# KiCad board EOutside.kicad_pcb (continued)
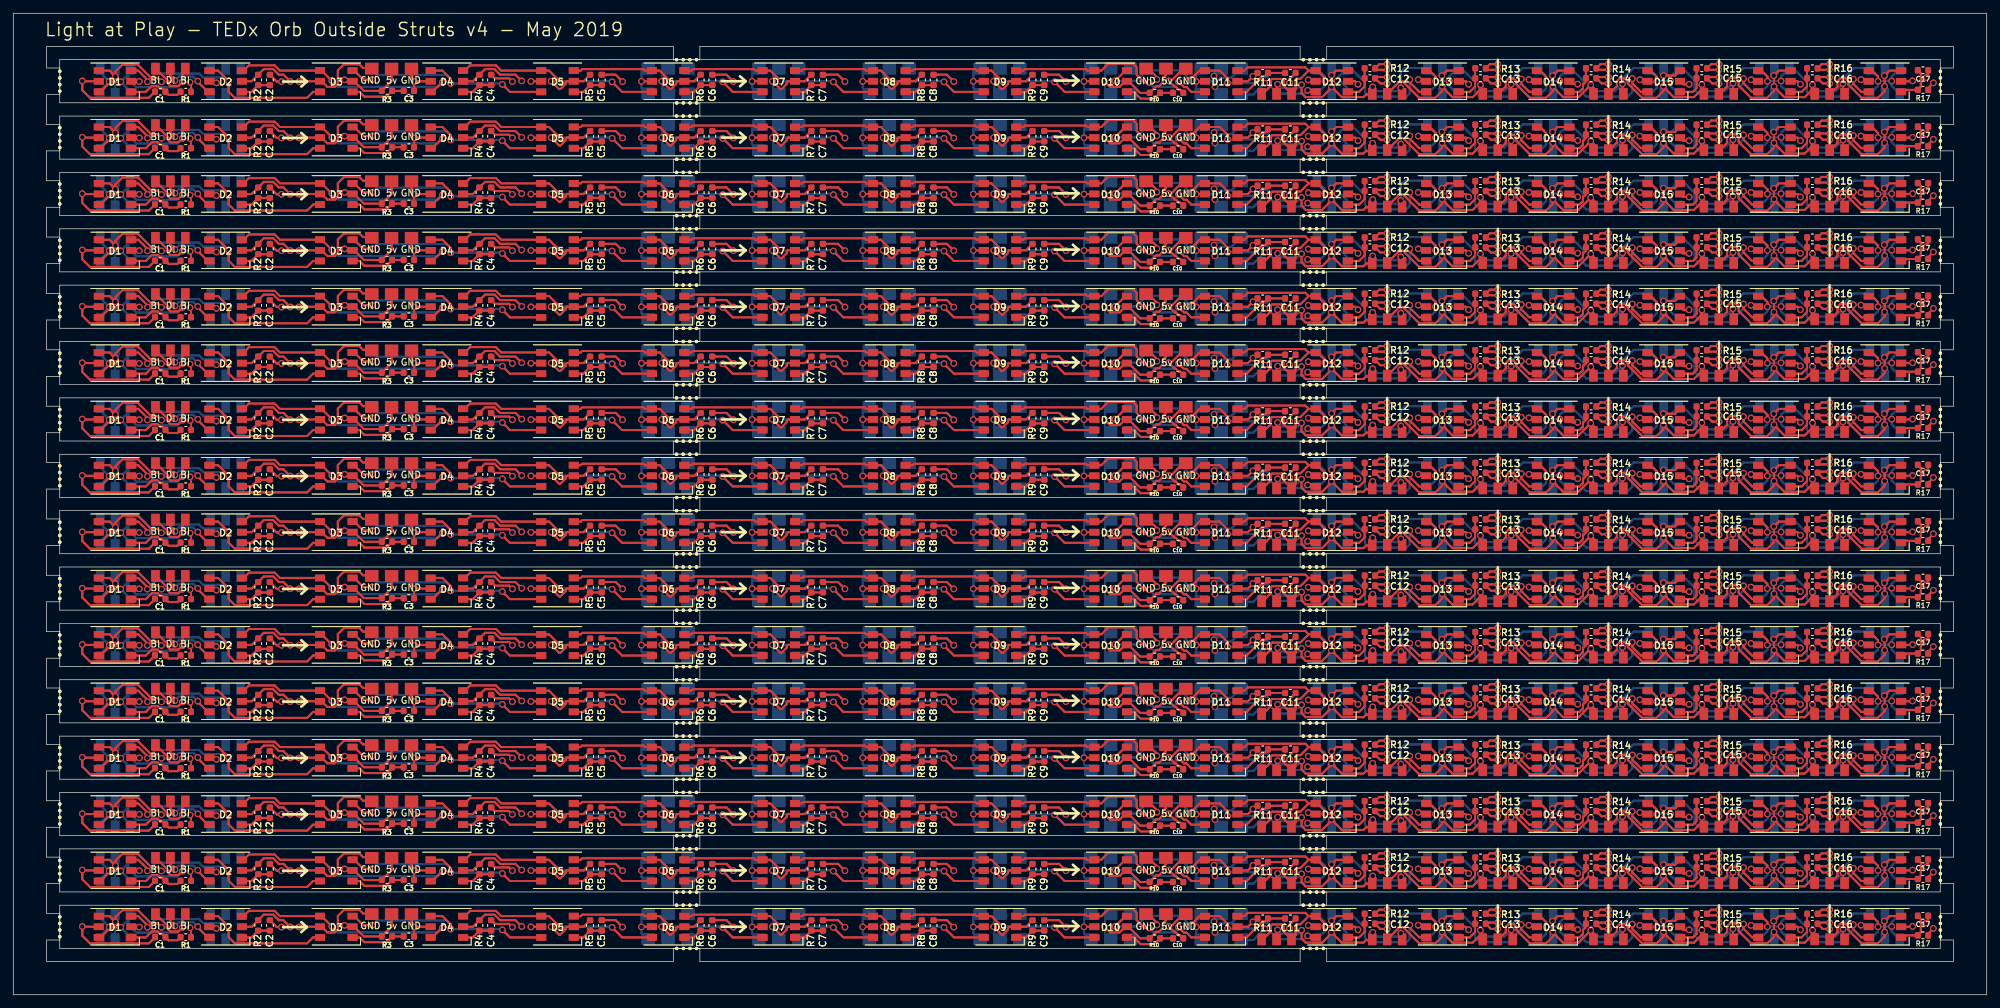
[diagram p0: board, top side]
## Routing (per net, layer and track width the routed paths; a pad name or vN(x,y) marks a point on that pad's centre or on a via; arc(x,y) is an arc through that point) (continued)

## Copper pours and planes (outline as drawn; the poured copper is in the pictures)
+5V on In1.Cu: 290.33,141 7,141 7,134.5 290.33,134.5
+5V on In1.Cu: 290.33,132.5 7,132.5 7,126 290.33,126
+5V on In1.Cu: 290.33,124 7,124 7,117.5 290.33,117.5
+5V on In1.Cu: 290.33,115.5 7,115.5 7,109 290.33,109
+5V on In1.Cu: 290.33,124 7,124 7,117.5 290.33,117.5
+5V on In1.Cu: 290.33,141 7,141 7,134.5 290.33,134.5
+5V on In1.Cu: 290.33,115.5 7,115.5 7,109 290.33,109
+5V on In1.Cu: 290.33,132.5 7,132.5 7,126 290.33,126
+5V on In1.Cu: 290.33,90 7,90 7,83.5 290.33,83.5
+5V on In1.Cu: 290.33,107 7,107 7,100.5 290.33,100.5
+5V on In1.Cu: 290.33,81.5 7,81.5 7,75 290.33,75
+5V on In1.Cu: 290.33,81.5 7,81.5 7,75 290.33,75
+5V on In1.Cu: 290.33,107 7,107 7,100.5 290.33,100.5
+5V on In1.Cu: 290.33,90 7,90 7,83.5 290.33,83.5
+5V on In1.Cu: 290.33,98.5 7,98.5 7,92 290.33,92
+5V on In1.Cu: 290.33,98.5 7,98.5 7,92 290.33,92
+5V on In1.Cu: 290.33,73 7,73 7,66.5 290.33,66.5
+5V on In1.Cu: 290.33,47.5 7,47.5 7,41 290.33,41
+5V on In1.Cu: 290.33,73 7,73 7,66.5 290.33,66.5
+5V on In1.Cu: 290.33,64.5 7,64.5 7,58 290.33,58
+5V on In1.Cu: 290.33,56 7,56 7,49.5 290.33,49.5
+5V on In1.Cu: 290.33,64.5 7,64.5 7,58 290.33,58
+5V on In1.Cu: 290.33,47.5 7,47.5 7,41 290.33,41
+5V on In1.Cu: 290.33,56 7,56 7,49.5 290.33,49.5
+5V on In1.Cu: 290.33,39 7,39 7,32.5 290.33,32.5
+5V on In1.Cu: 290.33,22 7,22 7,15.5 290.33,15.5
+5V on In1.Cu: 290.33,39 7,39 7,32.5 290.33,32.5
+5V on In1.Cu: 290.33,13.5 7,13.5 7,7 290.33,7
+5V on In1.Cu: 290.33,30.5 7,30.5 7,24 290.33,24
+5V on In1.Cu: 290.33,13.5 7,13.5 7,7 290.33,7
+5V on In1.Cu: 290.33,30.5 7,30.5 7,24 290.33,24
+5V on In1.Cu: 290.33,22 7,22 7,15.5 290.33,15.5
GND on Bottom: 290.33,141 290.33,134.5 7,134.5 7,141
GND on Bottom: 290.33,132.5 290.33,126 7,126 7,132.5
GND on Bottom: 290.33,124 290.33,117.5 7,117.5 7,124
GND on Bottom: 290.33,115.5 290.33,109 7,109 7,115.5
GND on Bottom: 290.33,141 290.33,134.5 7,134.5 7,141
GND on Bottom: 290.33,115.5 290.33,109 7,109 7,115.5
GND on Bottom: 290.33,124 290.33,117.5 7,117.5 7,124
GND on Bottom: 290.33,132.5 290.33,126 7,126 7,132.5
GND on Bottom: 290.33,107 290.33,100.5 7,100.5 7,107
GND on Bottom: 290.33,81.5 290.33,75 7,75 7,81.5
GND on Bottom: 290.33,90 290.33,83.5 7,83.5 7,90
GND on Bottom: 290.33,107 290.33,100.5 7,100.5 7,107
GND on Bottom: 290.33,81.5 290.33,75 7,75 7,81.5
GND on Bottom: 290.33,98.5 290.33,92 7,92 7,98.5
GND on Bottom: 290.33,90 290.33,83.5 7,83.5 7,90
GND on Bottom: 290.33,98.5 290.33,92 7,92 7,98.5
GND on Bottom: 290.33,73 290.33,66.5 7,66.5 7,73
GND on Bottom: 290.33,73 290.33,66.5 7,66.5 7,73
GND on Bottom: 290.33,47.5 290.33,41 7,41 7,47.5
GND on Bottom: 290.33,56 290.33,49.5 7,49.5 7,56
GND on Bottom: 290.33,64.5 290.33,58 7,58 7,64.5
GND on Bottom: 290.33,64.5 290.33,58 7,58 7,64.5
GND on Bottom: 290.33,56 290.33,49.5 7,49.5 7,56
GND on Bottom: 290.33,47.5 290.33,41 7,41 7,47.5
GND on Bottom: 290.33,30.5 290.33,24 7,24 7,30.5
GND on Bottom: 290.33,22 290.33,15.5 7,15.5 7,22
GND on Bottom: 290.33,22 290.33,15.5 7,15.5 7,22
GND on Bottom: 290.33,39 290.33,32.5 7,32.5 7,39
GND on Bottom: 290.33,39 290.33,32.5 7,32.5 7,39
GND on Bottom: 290.33,13.5 290.33,7 7,7 7,13.5
GND on Bottom: 290.33,13.5 290.33,7 7,7 7,13.5
GND on Bottom: 290.33,30.5 290.33,24 7,24 7,30.5
GND on In2.Cu: 290.33,134.55 290.33,141.05 7,141 7,134.5
GND on In2.Cu: 290.33,126.05 290.33,132.55 7,132.5 7,126
GND on In2.Cu: 290.33,117.55 290.33,124.05 7,124 7,117.5
GND on In2.Cu: 290.33,109.05 290.33,115.55 7,115.5 7,109
GND on In2.Cu: 290.33,134.55 290.33,141.05 7,141 7,134.5
GND on In2.Cu: 290.33,109.05 290.33,115.55 7,115.5 7,109
GND on In2.Cu: 290.33,117.55 290.33,124.05 7,124 7,117.5
GND on In2.Cu: 290.33,126.05 290.33,132.55 7,132.5 7,126
GND on In2.Cu: 290.33,100.55 290.33,107.05 7,107 7,100.5
GND on In2.Cu: 290.33,100.55 290.33,107.05 7,107 7,100.5
GND on In2.Cu: 290.33,75.05 290.33,81.55 7,81.5 7,75
GND on In2.Cu: 290.33,83.55 290.33,90.05 7,90 7,83.5
GND on In2.Cu: 290.33,75.05 290.33,81.55 7,81.5 7,75
GND on In2.Cu: 290.33,92.05 290.33,98.55 7,98.5 7,92
GND on In2.Cu: 290.33,83.55 290.33,90.05 7,90 7,83.5
GND on In2.Cu: 290.33,92.05 290.33,98.55 7,98.5 7,92
GND on In2.Cu: 290.33,66.55 290.33,73.05 7,73 7,66.5
GND on In2.Cu: 290.33,41.05 290.33,47.55 7,47.5 7,41
GND on In2.Cu: 290.33,66.55 290.33,73.05 7,73 7,66.5
GND on In2.Cu: 290.33,49.55 290.33,56.05 7,56 7,49.5
GND on In2.Cu: 290.33,58.05 290.33,64.55 7,64.5 7,58
GND on In2.Cu: 290.33,58.05 290.33,64.55 7,64.5 7,58
GND on In2.Cu: 290.33,49.55 290.33,56.05 7,56 7,49.5
GND on In2.Cu: 290.33,41.05 290.33,47.55 7,47.5 7,41
GND on In2.Cu: 290.33,24.05 290.33,30.55 7,30.5 7,24
GND on In2.Cu: 290.33,15.55 290.33,22.05 7,22 7,15.5
GND on In2.Cu: 290.33,15.55 290.33,22.05 7,22 7,15.5
GND on In2.Cu: 290.33,32.55 290.33,39.05 7,39 7,32.5
GND on In2.Cu: 290.33,32.55 290.33,39.05 7,39 7,32.5
GND on In2.Cu: 290.33,7.05 290.33,13.55 7,13.5 7,7
GND on In2.Cu: 290.33,7.05 290.33,13.55 7,13.5 7,7
GND on In2.Cu: 290.33,24.05 290.33,30.55 7,30.5 7,24

## Text on the board
B.SilkS: BI | DI | NO-CONN | GND | 5v | BO | DO
F.SilkS: BI | DI | GND | 5v | Light at Play - TEDx Orb Outside Struts v4 - May 2019
